# Altium PCB SONDE_2.PcbDoc (part 9 of 10)
Units mil, origin at the board's own origin, x right, y up, seen from the top; angles counter-clockwise.
Board outline 10236.22 x 6701.71 mil, 4 copper layers (Top Layer, GND, Internal Plane 2, Bottom Layer), stack 30.9 mil thick; 1794 components, 936 nets, 4747 pads, 493 vias.
Unrouted connection lines stored in the file: 1122.
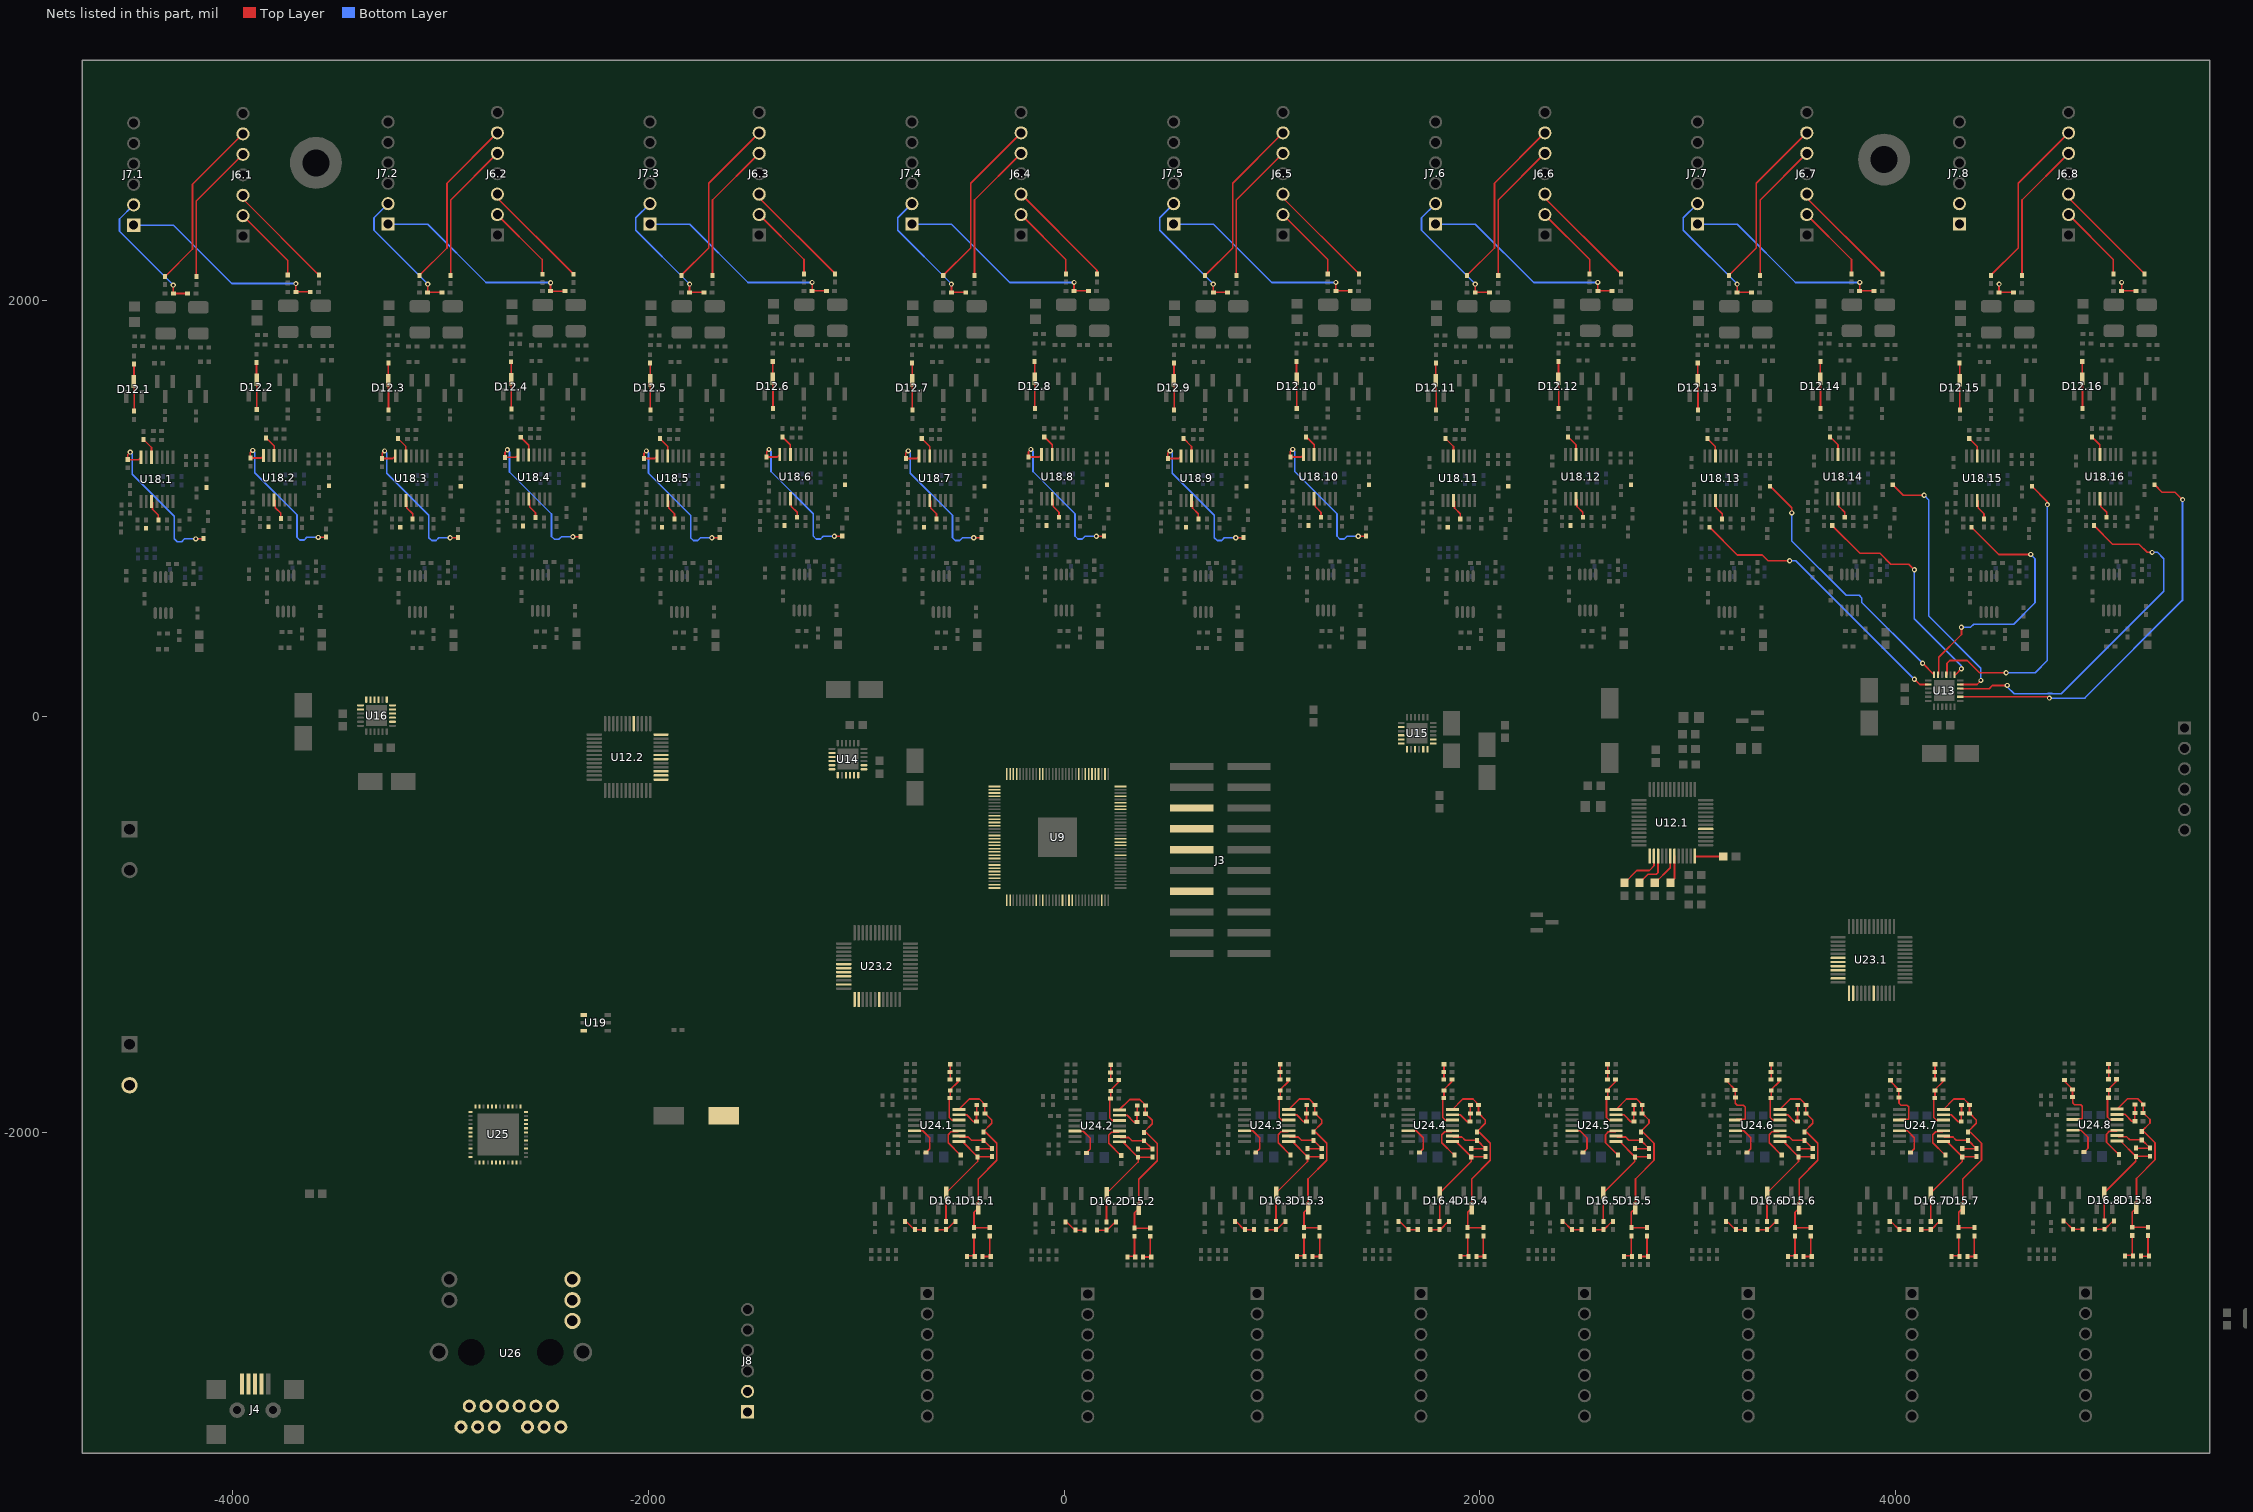
[diagram p11: the nets of this part, all layers, seen from the top]

## Via types
v1: diameter 25, hole 12, Top Layer to Bottom Layer, 493 vias

## Nets (pads, with @x,y where several pads share a name; then routed paths per layer and width w, separated by ;. In a path a pad name is that pad's centre, name@x,y a point inside that pad or via, vN(x,y) a via of type N, cw(c..) or ccw(c..) an arc to the next point about the centre after c; other vN are vias at no path point) (continued)
NetC140.6_1: C140.6.1 R86.6.2 R89.6.2 U24.6.3 | length 287.4
  Top Layer w8: R86.6.2@3188.7,-1749.46 3188.7,-1755.01 3228.07,-1794.38 C140.6.1@3228.07,-1796.46 3228.07,-1831.46 R89.6.2@3229.07,-1832.46 3229.07,-1859.77 3238.09,-1868.8 3267.44,-1868.8 3275.64,-1877 3275.64,-1936.17 3234.85,-1936.17 U24.6.3@3230.14,-1940.87
NetC140.7_1: C140.7.1 R86.7.2 R89.7.2 U24.7.3 | length 287.4
  Top Layer w8: R86.7.2@3976.1,-1749.46 3976.1,-1755.01 4015.47,-1794.38 C140.7.1@4015.47,-1796.46 4015.47,-1831.46 R89.7.2@4016.47,-1832.46 4016.47,-1859.77 4025.5,-1868.8 4054.84,-1868.8 4063.04,-1877 4063.04,-1936.17 4022.25,-1936.17 U24.7.3@4017.55,-1940.87
NetC140.8_1: C140.8.1 R86.8.2 R89.8.2 U24.8.3 | length 287.4
  Top Layer w8: R86.8.2@4811.31,-1747.38 4811.31,-1752.93 4850.69,-1792.3 C140.8.1@4850.69,-1794.38 4850.69,-1829.38 R89.8.2@4851.69,-1830.38 4851.69,-1857.69 4860.71,-1866.72 4890.06,-1866.72 4898.26,-1874.92 4898.26,-1934.09 4857.46,-1934.09 U24.8.3@4852.76,-1938.79
NetC141.1_2: C141.1.2 R92.1.2 R93.1.2 | length 108
  Top Layer w8: R92.1.2@-765.48,-2428.78 -759.53,-2428.78 -720.16,-2468.15 C141.1.2@-718.08,-2468.15 R93.1.2@-673.82,-2468.15
NetC141.2_2: C141.2.2 R92.2.2 R93.2.2 | length 108
  Top Layer w8: R92.2.2@6.6,-2430.86 12.55,-2430.86 51.92,-2470.23 C141.2.2@54,-2470.23 R93.2.2@98.26,-2470.23
NetC141.3_2: C141.3.2 R92.3.2 R93.3.2 | length 108
  Top Layer w8: R92.3.2@821.77,-2428.78 827.72,-2428.78 867.09,-2468.15 C141.3.2@869.18,-2468.15 R93.3.2@913.44,-2468.15
NetC141.4_2: C141.4.2 R92.4.2 R93.4.2 | length 108
  Top Layer w8: R92.4.2@1609.18,-2428.78 1615.13,-2428.78 1654.5,-2468.15 C141.4.2@1656.58,-2468.15 R93.4.2@1700.84,-2468.15
NetC141.5_2: C141.5.2 R92.5.2 R93.5.2 | length 108
  Top Layer w8: R92.5.2@2396.58,-2428.78 2402.53,-2428.78 2441.9,-2468.15 C141.5.2@2443.98,-2468.15 R93.5.2@2488.24,-2468.15
NetC141.6_2: C141.6.2 R92.6.2 R93.6.2 | length 108
  Top Layer w8: R92.6.2@3183.98,-2428.78 3189.93,-2428.78 3229.3,-2468.15 C141.6.2@3231.38,-2468.15 R93.6.2@3275.64,-2468.15
NetC141.7_2: C141.7.2 R92.7.2 R93.7.2 | length 108
  Top Layer w8: R92.7.2@3971.38,-2428.78 3977.33,-2428.78 4016.7,-2468.15 C141.7.2@4018.78,-2468.15 R93.7.2@4063.04,-2468.15
NetC141.8_2: C141.8.2 R92.8.2 R93.8.2 | length 108
  Top Layer w8: R92.8.2@4806.6,-2426.69 4812.55,-2426.69 4851.92,-2466.06 C141.8.2@4854,-2466.06 R93.8.2@4898.26,-2466.06
NetC142.1_1: C142.1.1 R96.1.2 R98.1.1 U24.1.13 | length 179.5
  Top Layer w8: U24.1.13@-506.72,-1915.28 -468.97,-1915.28 -435.79,-1948.46 R98.1.1@-421.38,-1948.46 -421.38,-1909.08 C142.1.1@-420.76,-1908.46 -420.45,-1908.15 R96.1.2@-420.45,-1868.46
NetC142.1_2: C142.1.2 C143.1.1 C144.1.1 D15.1.3 R96.1.1 R105.1.2 R133.2 U24.1.14 | length 931.7
  Top Layer w8: U24.1.14@-506.72,-1889.69 -456.8,-1839.78 -407.68,-1839.78 -381.08,-1866.38 R96.1.1@-381.08,-1868.46 -381.39,-1868.78 C142.1.2@-381.39,-1908.46 -380.56,-1908.46 -348.73,-1940.29 -348.73,-1956.63 -388.08,-1995.98 R105.1.2@-388.08,-1998.78 -377.11,-1998.78 -324.24,-2051.65 -324.24,-2134.44 -413.85,-2224.05 D15.1.3@-413.85,-2364.88 -433.78,-2384.81 -433.78,-2454.87 -430.19,-2458.46 C143.1.1@-358.08,-2458.46
NetC142.2_1: C142.2.1 R96.2.2 R98.2.1 U24.2.13 | length 179.5
  Top Layer w8: U24.2.13@265.36,-1917.36 303.11,-1917.36 336.29,-1950.54 R98.2.1@350.7,-1950.54 350.7,-1911.16 C142.2.1@351.31,-1910.54 351.63,-1910.23 R96.2.2@351.63,-1870.54
NetC142.2_2: C142.2.2 C143.2.1 C144.2.1 D15.2.3 R96.2.1 R105.2.2 U24.2.14 | length 931.7
  Top Layer w8: U24.2.14@265.36,-1891.77 315.28,-1841.86 364.4,-1841.86 391,-1868.46 R96.2.1@391,-1870.54 390.69,-1870.86 C142.2.2@390.69,-1910.54 391.52,-1910.54 423.35,-1942.37 423.35,-1958.71 384,-1998.06 R105.2.2@384,-2000.86 394.97,-2000.86 447.84,-2053.73 447.84,-2136.52 358.23,-2226.14 D15.2.3@358.23,-2366.96 338.3,-2386.89 338.3,-2456.95 341.89,-2460.54 C143.2.1@414,-2460.54
NetC142.3_1: C142.3.1 R96.3.2 R98.3.1 U24.3.13 | length 179.5
  Top Layer w8: U24.3.13@1080.54,-1915.28 1118.29,-1915.28 1151.47,-1948.46 R98.3.1@1165.87,-1948.46 1165.87,-1909.08 C142.3.1@1166.49,-1908.46 1166.81,-1908.15 R96.3.2@1166.81,-1868.46
NetC142.3_2: C142.3.2 C143.3.1 C144.3.1 D15.3.3 R96.3.1 R105.3.2 U24.3.14 | length 931.7
  Top Layer w8: U24.3.14@1080.54,-1889.69 1130.45,-1839.78 1179.57,-1839.78 1206.18,-1866.38 R96.3.1@1206.18,-1868.46 1205.86,-1868.78 C142.3.2@1205.86,-1908.46 1206.69,-1908.46 1238.52,-1940.29 1238.52,-1956.63 1199.18,-1995.98 R105.3.2@1199.18,-1998.78 1210.14,-1998.78 1263.02,-2051.65 1263.02,-2134.44 1173.4,-2224.05 D15.3.3@1173.4,-2364.88 1153.47,-2384.81 1153.47,-2454.87 1157.06,-2458.46 C143.3.1@1229.18,-2458.46
NetC142.4_1: C142.4.1 R96.4.2 R98.4.1 U24.4.13 | length 179.5
  Top Layer w8: U24.4.13@1867.94,-1915.28 1905.69,-1915.28 1938.87,-1948.46 R98.4.1@1953.27,-1948.46 1953.27,-1909.08 C142.4.1@1953.89,-1908.46 1954.21,-1908.15 R96.4.2@1954.21,-1868.46
NetC142.4_2: C142.4.2 C143.4.1 C144.4.1 D15.4.3 R96.4.1 R105.4.2 U24.4.14 | length 931.7
  Top Layer w8: U24.4.14@1867.94,-1889.69 1917.85,-1839.78 1966.97,-1839.78 1993.58,-1866.38 R96.4.1@1993.58,-1868.46 1993.26,-1868.78 C142.4.2@1993.26,-1908.46 1994.1,-1908.46 2025.92,-1940.29 2025.92,-1956.63 1986.58,-1995.98 R105.4.2@1986.58,-1998.78 1997.55,-1998.78 2050.42,-2051.65 2050.42,-2134.44 1960.81,-2224.05 D15.4.3@1960.81,-2364.88 1940.88,-2384.81 1940.88,-2454.87 1944.47,-2458.46 C143.4.1@2016.58,-2458.46
NetC142.5_1: C142.5.1 R96.5.2 R98.5.1 U24.5.13 | length 179.5
  Top Layer w8: U24.5.13@2655.34,-1915.28 2693.09,-1915.28 2726.27,-1948.46 R98.5.1@2740.67,-1948.46 2740.67,-1909.08 C142.5.1@2741.29,-1908.46 2741.61,-1908.15 R96.5.2@2741.61,-1868.46
NetC142.5_2: C142.5.2 C143.5.1 C144.5.1 D15.5.3 R96.5.1 R105.5.2 U24.5.14 | length 931.7
  Top Layer w8: U24.5.14@2655.34,-1889.69 2705.25,-1839.78 2754.38,-1839.78 2780.98,-1866.38 R96.5.1@2780.98,-1868.46 2780.66,-1868.78 C142.5.2@2780.66,-1908.46 2781.5,-1908.46 2813.33,-1940.29 2813.33,-1956.63 2773.98,-1995.98 R105.5.2@2773.98,-1998.78 2784.95,-1998.78 2837.82,-2051.65 2837.82,-2134.44 2748.21,-2224.05 D15.5.3@2748.21,-2364.88 2728.28,-2384.81 2728.28,-2454.87 2731.87,-2458.46 C143.5.1@2803.98,-2458.46
NetC142.6_1: C142.6.1 R96.6.2 R98.6.1 U24.6.13 | length 179.5
  Top Layer w8: U24.6.13@3442.74,-1915.28 3480.49,-1915.28 3513.67,-1948.46 R98.6.1@3528.08,-1948.46 3528.08,-1909.08 C142.6.1@3528.7,-1908.46 3529.01,-1908.15 R96.6.2@3529.01,-1868.46
NetC142.6_2: C142.6.2 C143.6.1 C144.6.1 D15.6.3 R96.6.1 R105.6.2 U24.6.14 | length 931.7
  Top Layer w8: U24.6.14@3442.74,-1889.69 3492.66,-1839.78 3541.78,-1839.78 3568.38,-1866.38 R96.6.1@3568.38,-1868.46 3568.07,-1868.78 C142.6.2@3568.07,-1908.46 3568.9,-1908.46 3600.73,-1940.29 3600.73,-1956.63 3561.38,-1995.98 R105.6.2@3561.38,-1998.78 3572.35,-1998.78 3625.22,-2051.65 3625.22,-2134.44 3535.61,-2224.05 D15.6.3@3535.61,-2364.88 3515.68,-2384.81 3515.68,-2454.87 3519.27,-2458.46 C143.6.1@3591.38,-2458.46
NetC142.7_1: C142.7.1 R96.7.2 R98.7.1 U24.7.13 | length 179.5
  Top Layer w8: U24.7.13@4230.14,-1915.28 4267.89,-1915.28 4301.07,-1948.46 R98.7.1@4315.48,-1948.46 4315.48,-1909.08 C142.7.1@4316.1,-1908.46 4316.41,-1908.15 R96.7.2@4316.41,-1868.46
NetC142.7_2: C142.7.2 C143.7.1 C144.7.1 D15.7.3 R96.7.1 R105.7.2 U24.7.14 | length 931.7
  Top Layer w8: U24.7.14@4230.14,-1889.69 4280.06,-1839.78 4329.18,-1839.78 4355.78,-1866.38 R96.7.1@4355.78,-1868.46 4355.47,-1868.78 C142.7.2@4355.47,-1908.46 4356.3,-1908.46 4388.13,-1940.29 4388.13,-1956.63 4348.78,-1995.98 R105.7.2@4348.78,-1998.78 4359.75,-1998.78 4412.62,-2051.65 4412.62,-2134.44 4323.01,-2224.05 D15.7.3@4323.01,-2364.88 4303.08,-2384.81 4303.08,-2454.87 4306.67,-2458.46 C143.7.1@4378.78,-2458.46
NetC142.8_1: C142.8.1 R96.8.2 R98.8.1 U24.8.13 | length 179.5
  Top Layer w8: U24.8.13@5065.36,-1913.2 5103.11,-1913.2 5136.29,-1946.38 R98.8.1@5150.7,-1946.38 5150.7,-1907 C142.8.1@5151.31,-1906.38 5151.63,-1906.06 R96.8.2@5151.63,-1866.38
NetC142.8_2: C142.8.2 C143.8.1 C144.8.1 D15.8.3 R96.8.1 R105.8.2 U24.8.14 | length 931.7
  Top Layer w8: U24.8.14@5065.36,-1887.61 5115.28,-1837.69 5164.4,-1837.69 5191,-1864.3 R96.8.1@5191,-1866.38 5190.69,-1866.69 C142.8.2@5190.69,-1906.38 5191.52,-1906.38 5223.35,-1938.21 5223.35,-1954.55 5184,-1993.9 R105.8.2@5184,-1996.69 5194.97,-1996.69 5247.84,-2049.57 5247.84,-2132.36 5158.23,-2221.97 D15.8.3@5158.23,-2362.8 5138.3,-2382.73 5138.3,-2452.79 5141.89,-2456.38 C143.8.1@5214,-2456.38
NetC143.1_2: C143.1.2 R95.1.2 R97.1.2 | length 139.9
  Top Layer w8: R97.1.2@-391.92,-2597.18 R95.1.2@-353.31,-2597.18 -358.08,-2592.41 C143.1.2@-358.08,-2497.83
NetC143.2_2: C143.2.2 R95.2.2 R97.2.2 | length 139.9
  Top Layer w8: R97.2.2@380.16,-2599.27 R95.2.2@418.77,-2599.27 414,-2594.5 C143.2.2@414,-2499.91
NetC143.3_2: C143.3.2 R95.3.2 R97.3.2 | length 139.9
  Top Layer w8: R97.3.2@1195.33,-2597.18 R95.3.2@1233.95,-2597.18 1229.18,-2592.41 C143.3.2@1229.18,-2497.83
NetC143.4_2: C143.4.2 R95.4.2 R97.4.2 | length 139.9
  Top Layer w8: R97.4.2@1982.74,-2597.18 R95.4.2@2021.35,-2597.18 2016.58,-2592.41 C143.4.2@2016.58,-2497.83
NetC143.5_2: C143.5.2 R95.5.2 R97.5.2 | length 139.9
  Top Layer w8: R97.5.2@2770.14,-2597.18 R95.5.2@2808.75,-2597.18 2803.98,-2592.41 C143.5.2@2803.98,-2497.83
NetC143.6_2: C143.6.2 R95.6.2 R97.6.2 | length 139.9
  Top Layer w8: R97.6.2@3557.54,-2597.18 R95.6.2@3596.15,-2597.18 3591.38,-2592.41 C143.6.2@3591.38,-2497.83
NetC143.7_2: C143.7.2 R95.7.2 R97.7.2 | length 139.9
  Top Layer w8: R97.7.2@4344.94,-2597.18 R95.7.2@4383.55,-2597.18 4378.78,-2592.41 C143.7.2@4378.78,-2497.83
NetC143.8_2: C143.8.2 R95.8.2 R97.8.2 | length 139.9
  Top Layer w8: R97.8.2@5180.16,-2595.1 R95.8.2@5218.77,-2595.1 5214,-2590.33 C143.8.2@5214,-2495.75
NetC144.1_2: C144.1.2 R99.1.2 R101.1.2 | length 131.5
  Top Layer w8: R99.1.2@-468.08,-2597.18 -464.49,-2593.59 -433.78,-2593.59 C144.1.2@-433.78,-2497.83
NetC144.2_2: C144.2.2 R99.2.2 R101.2.2 | length 131.5
  Top Layer w8: R99.2.2@304,-2599.27 307.59,-2595.68 338.3,-2595.68 C144.2.2@338.3,-2499.91
NetC144.3_2: C144.3.2 R99.3.2 R101.3.2 | length 131.5
  Top Layer w8: R99.3.2@1119.18,-2597.18 1122.77,-2593.59 1153.47,-2593.59 C144.3.2@1153.47,-2497.83
NetC144.4_2: C144.4.2 R99.4.2 R101.4.2 | length 131.5
  Top Layer w8: R99.4.2@1906.58,-2597.18 1910.17,-2593.59 1940.88,-2593.59 C144.4.2@1940.88,-2497.83
NetC144.5_2: C144.5.2 R99.5.2 R101.5.2 | length 131.5
  Top Layer w8: R99.5.2@2693.98,-2597.18 2697.57,-2593.59 2728.28,-2593.59 C144.5.2@2728.28,-2497.83
NetC144.6_2: C144.6.2 R99.6.2 R101.6.2 | length 131.5
  Top Layer w8: R99.6.2@3481.38,-2597.18 3484.97,-2593.59 3515.68,-2593.59 C144.6.2@3515.68,-2497.83
NetC144.7_2: C144.7.2 R99.7.2 R101.7.2 | length 131.5
  Top Layer w8: R99.7.2@4268.78,-2597.18 4272.37,-2593.59 4303.08,-2593.59 C144.7.2@4303.08,-2497.83
NetC144.8_2: C144.8.2 R99.8.2 R101.8.2 | length 131.5
  Top Layer w8: R99.8.2@5104,-2595.1 5107.59,-2591.51 5138.3,-2591.51 C144.8.2@5138.3,-2495.75
NetC145.1_2: C145.1.2 R100.1.1 R102.1.2 | length 73
  Top Layer w8: R100.1.1@-547.76,-1745.46 C145.1.2@-547.76,-1672.46
NetC145.2_2: C145.2.2 R100.2.1 R102.2.2 | length 73
  Top Layer w8: R100.2.1@224.31,-1747.54 C145.2.2@224.31,-1674.54
NetC145.3_2: C145.3.2 R100.3.1 R102.3.2 | length 73
  Top Layer w8: R100.3.1@1039.49,-1745.46 C145.3.2@1039.49,-1672.46
NetC145.4_2: C145.4.2 R100.4.1 R102.4.2 | length 73
  Top Layer w8: R100.4.1@1826.89,-1745.46 C145.4.2@1826.89,-1672.46
NetC145.5_2: C145.5.2 R100.5.1 R102.5.2 | length 73
  Top Layer w8: R100.5.1@2614.29,-1745.46 C145.5.2@2614.29,-1672.46
NetC145.6_2: C145.6.2 R100.6.1 R102.6.2 | length 73
  Top Layer w8: R100.6.1@3401.7,-1745.46 C145.6.2@3401.7,-1672.46
NetC145.7_2: C145.7.2 R100.7.1 R102.7.2 | length 73
  Top Layer w8: R100.7.1@4189.1,-1745.46 C145.7.2@4189.1,-1672.46
NetC145.8_2: C145.8.2 R100.8.1 R102.8.2 | length 73
  Top Layer w8: R100.8.1@5024.31,-1743.38 C145.8.2@5024.31,-1670.38
NetC146.1_1: C146.1.1 R104.1.2 R105.1.1 U24.1.9 | length 254.1
  Top Layer w8: U24.1.9@-506.72,-2017.64 -502.02,-2022.34 -461.22,-2022.34 -445.42,-2038.15 R105.1.1@-388.08,-2038.15 -348.76,-2077.46 R104.1.2@-348.08,-2077.46 C146.1.1@-416.46,-2078.11 C146.1.1@-418.08,-2076.5
NetC146.1_2: C146.1.2 C148.1.1 D16.1.3 R104.1.1 U24.1.8 | length 563.8
  Top Layer w8: C148.1.1@-568.08,-2428.78 D16.1.3@-568.08,-2292.04 -416.46,-2140.43 C146.1.2@-416.46,-2117.48 ; U24.1.8@-506.72,-2043.23 -490.71,-2043.23 C146.1.2@-416.46,-2117.48 ; R104.1.1@-348.08,-2116.83 -348.73,-2117.48 C146.1.2@-416.46,-2117.48
NetC146.2_1: C146.2.1 R104.2.2 R105.2.1 U24.2.9 | length 254.1
  Top Layer w8: U24.2.9@265.36,-2019.72 270.06,-2024.42 310.86,-2024.42 326.66,-2040.23 R105.2.1@384,-2040.23 423.31,-2079.54 R104.2.2@424,-2079.54 C146.2.1@355.62,-2080.2 C146.2.1@354,-2078.58
NetC146.2_2: C146.2.2 C148.2.1 D16.2.3 R104.2.1 U24.2.8 | length 563.8
  Top Layer w8: C148.2.1@204,-2430.86 D16.2.3@204,-2294.13 355.62,-2142.51 C146.2.2@355.62,-2119.57 ; U24.2.8@265.36,-2045.31 281.36,-2045.31 C146.2.2@355.62,-2119.57 ; R104.2.1@424,-2118.91 423.35,-2119.57 C146.2.2@355.62,-2119.57
NetC146.3_1: C146.3.1 R104.3.2 R105.3.1 U24.3.9 | length 254.1
  Top Layer w8: U24.3.9@1080.54,-2017.64 1085.24,-2022.34 1126.03,-2022.34 1141.84,-2038.15 R105.3.1@1199.18,-2038.15 1238.49,-2077.46 R104.3.2@1239.18,-2077.46 C146.3.1@1170.79,-2078.11 C146.3.1@1169.18,-2076.5
NetC146.3_2: C146.3.2 C148.3.1 D16.3.3 R104.3.1 U24.3.8 | length 563.8
  Top Layer w8: C148.3.1@1019.18,-2428.78 D16.3.3@1019.18,-2292.04 1170.79,-2140.43 C146.3.2@1170.79,-2117.48 ; U24.3.8@1080.54,-2043.23 1096.54,-2043.23 C146.3.2@1170.79,-2117.48 ; R104.3.1@1239.18,-2116.83 1238.52,-2117.48 C146.3.2@1170.79,-2117.48
NetC146.4_1: C146.4.1 R104.4.2 R105.4.1 U24.4.9 | length 254.1
  Top Layer w8: U24.4.9@1867.94,-2017.64 1872.64,-2022.34 1913.44,-2022.34 1929.24,-2038.15 R105.4.1@1986.58,-2038.15 2025.89,-2077.46 R104.4.2@2026.58,-2077.46 C146.4.1@1958.19,-2078.11 C146.4.1@1956.58,-2076.5
NetC146.4_2: C146.4.2 C148.4.1 D16.4.3 R104.4.1 U24.4.8 | length 563.8
  Top Layer w8: C148.4.1@1806.58,-2428.78 D16.4.3@1806.58,-2292.04 1958.19,-2140.43 C146.4.2@1958.19,-2117.48 ; U24.4.8@1867.94,-2043.23 1883.94,-2043.23 C146.4.2@1958.19,-2117.48 ; R104.4.1@2026.58,-2116.83 2025.92,-2117.48 C146.4.2@1958.19,-2117.48
NetC146.5_1: C146.5.1 R104.5.2 R105.5.1 U24.5.9 | length 254.1
  Top Layer w8: U24.5.9@2655.34,-2017.64 2660.04,-2022.34 2700.84,-2022.34 2716.64,-2038.15 R105.5.1@2773.98,-2038.15 2813.29,-2077.46 R104.5.2@2813.98,-2077.46 C146.5.1@2745.59,-2078.11 C146.5.1@2743.98,-2076.5
NetC146.5_2: C146.5.2 C148.5.1 D16.5.3 R104.5.1 U24.5.8 | length 563.8
  Top Layer w8: C148.5.1@2593.98,-2428.78 D16.5.3@2593.98,-2292.04 2745.59,-2140.43 C146.5.2@2745.59,-2117.48 ; U24.5.8@2655.34,-2043.23 2671.34,-2043.23 C146.5.2@2745.59,-2117.48 ; R104.5.1@2813.98,-2116.83 2813.33,-2117.48 C146.5.2@2745.59,-2117.48
NetC146.6_1: C146.6.1 R104.6.2 R105.6.1 U24.6.9 | length 254.1
  Top Layer w8: U24.6.9@3442.74,-2017.64 3447.44,-2022.34 3488.24,-2022.34 3504.04,-2038.15 R105.6.1@3561.38,-2038.15 3600.7,-2077.46 R104.6.2@3601.38,-2077.46 C146.6.1@3533,-2078.11 C146.6.1@3531.38,-2076.5
NetC146.6_2: C146.6.2 C148.6.1 D16.6.3 R104.6.1 U24.6.8 | length 563.8
  Top Layer w8: C148.6.1@3381.38,-2428.78 D16.6.3@3381.38,-2292.04 3533,-2140.43 C146.6.2@3533,-2117.48 ; U24.6.8@3442.74,-2043.23 3458.74,-2043.23 C146.6.2@3533,-2117.48 ; R104.6.1@3601.38,-2116.83 3600.73,-2117.48 C146.6.2@3533,-2117.48
NetC146.7_1: C146.7.1 R104.7.2 R105.7.1 U24.7.9 | length 254.1
  Top Layer w8: U24.7.9@4230.14,-2017.64 4234.85,-2022.34 4275.64,-2022.34 4291.44,-2038.15 R105.7.1@4348.78,-2038.15 4388.1,-2077.46 R104.7.2@4388.78,-2077.46 C146.7.1@4320.4,-2078.11 C146.7.1@4318.78,-2076.5
NetC146.7_2: C146.7.2 C148.7.1 D16.7.3 R104.7.1 U24.7.8 | length 563.8
  Top Layer w8: C148.7.1@4168.78,-2428.78 D16.7.3@4168.78,-2292.04 4320.4,-2140.43 C146.7.2@4320.4,-2117.48 ; U24.7.8@4230.14,-2043.23 4246.15,-2043.23 C146.7.2@4320.4,-2117.48 ; R104.7.1@4388.78,-2116.83 4388.13,-2117.48 C146.7.2@4320.4,-2117.48
NetC146.8_1: C146.8.1 R104.8.2 R105.8.1 U24.8.9 | length 254.1
  Top Layer w8: U24.8.9@5065.36,-2015.56 5070.06,-2020.26 5110.86,-2020.26 5126.66,-2036.06 R105.8.1@5184,-2036.06 5223.31,-2075.38 R104.8.2@5224,-2075.38 C146.8.1@5155.62,-2076.03 C146.8.1@5154,-2074.42
NetC146.8_2: C146.8.2 C148.8.1 D16.8.3 R104.8.1 U24.8.8 | length 563.8
  Top Layer w8: C148.8.1@5004,-2426.69 D16.8.3@5004,-2289.96 5155.62,-2138.35 C146.8.2@5155.62,-2115.4 ; U24.8.8@5065.36,-2041.15 5081.36,-2041.15 C146.8.2@5155.62,-2115.4 ; R104.8.1@5224,-2114.75 5223.35,-2115.4 C146.8.2@5155.62,-2115.4
NetC147.1_1: C147.1.1 R100.1.2 R103.1.2 U24.1.12 | length 250.2
  Top Layer w8: R103.1.2@-548.76,-1835.46 -553.08,-1839.78 -553.08,-1928.46 -540.67,-1940.87 U24.1.12@-506.72,-1940.87 ; R103.1.2@-547.76,-1834.46 C147.1.1@-547.76,-1798.46 -547.76,-1794.15 -509.39,-1755.78 R100.1.2@-509.39,-1746.46
NetC147.2_1: C147.2.1 R100.2.2 R103.2.2 U24.2.12 | length 250.2
  Top Layer w8: R103.2.2@223.31,-1837.54 219,-1841.86 219,-1930.54 231.41,-1942.95 U24.2.12@265.36,-1942.95 ; R103.2.2@224.32,-1836.54 C147.2.1@224.32,-1800.54 224.32,-1796.23 262.69,-1757.86 R100.2.2@262.69,-1748.54
NetC147.3_1: C147.3.1 R100.3.2 R103.3.2 U24.3.12 | length 250.2
  Top Layer w8: R103.3.2@1038.49,-1835.46 1034.18,-1839.78 1034.18,-1928.46 1046.59,-1940.87 U24.3.12@1080.54,-1940.87 ; R103.3.2@1039.49,-1834.46 C147.3.1@1039.49,-1798.46 1039.49,-1794.15 1077.86,-1755.78 R100.3.2@1077.86,-1746.46
NetC147.4_1: C147.4.1 R100.4.2 R103.4.2 U24.4.12 | length 250.2
  Top Layer w8: R103.4.2@1825.89,-1835.46 1821.58,-1839.78 1821.58,-1928.46 1833.99,-1940.87 U24.4.12@1867.94,-1940.87 ; R103.4.2@1826.89,-1834.46 C147.4.1@1826.89,-1798.46 1826.89,-1794.15 1865.26,-1755.78 R100.4.2@1865.26,-1746.46
NetC147.5_1: C147.5.1 R100.5.2 R103.5.2 U24.5.12 | length 250.2
  Top Layer w8: R103.5.2@2613.29,-1835.46 2608.98,-1839.78 2608.98,-1928.46 2621.39,-1940.87 U24.5.12@2655.34,-1940.87 ; R103.5.2@2614.29,-1834.46 C147.5.1@2614.29,-1798.46 2614.29,-1794.15 2652.66,-1755.78 R100.5.2@2652.66,-1746.46
NetC147.6_1: C147.6.1 R100.6.2 R103.6.2 U24.6.12 | length 250.2
  Top Layer w8: R103.6.2@3400.7,-1835.46 3396.38,-1839.78 3396.38,-1928.46 3408.79,-1940.87 U24.6.12@3442.74,-1940.87 ; R103.6.2@3401.7,-1834.46 C147.6.1@3401.7,-1798.46 3401.7,-1794.15 3440.07,-1755.78 R100.6.2@3440.07,-1746.46
NetC147.7_1: C147.7.1 R100.7.2 R103.7.2 U24.7.12 | length 250.2
  Top Layer w8: R103.7.2@4188.1,-1835.46 4183.78,-1839.78 4183.78,-1928.46 4196.19,-1940.87 U24.7.12@4230.14,-1940.87 ; R103.7.2@4189.1,-1834.46 C147.7.1@4189.1,-1798.46 4189.1,-1794.15 4227.47,-1755.78 R100.7.2@4227.47,-1746.46
NetC147.8_1: C147.8.1 R100.8.2 R103.8.2 U24.8.12 | length 250.2
  Top Layer w8: R103.8.2@5023.31,-1833.38 5019,-1837.69 5019,-1926.38 5031.41,-1938.79 U24.8.12@5065.36,-1938.79 ; R103.8.2@5024.32,-1832.38 C147.8.1@5024.32,-1796.38 5024.32,-1792.06 5062.69,-1753.69 R100.8.2@5062.69,-1744.38
NetC148.1_2: C148.1.2 R106.1.2 R107.1.2 | length 107.5
  Top Layer w8: R107.1.2@-613.69,-2468.15 C148.1.2@-568.08,-2468.15 -566,-2468.15 -526.63,-2428.78 R106.1.2@-522.5,-2428.78
NetC148.2_2: C148.2.2 R106.2.2 R107.2.2 | length 107.5
  Top Layer w8: R107.2.2@158.38,-2470.23 C148.2.2@204,-2470.23 206.08,-2470.23 245.45,-2430.86 R106.2.2@249.58,-2430.86
NetC148.3_2: C148.3.2 R106.3.2 R107.3.2 | length 107.5
  Top Layer w8: R107.3.2@973.56,-2468.15 C148.3.2@1019.18,-2468.15 1021.26,-2468.15 1060.63,-2428.78 R106.3.2@1064.75,-2428.78
NetC148.4_2: C148.4.2 R106.4.2 R107.4.2 | length 107.5
  Top Layer w8: R107.4.2@1760.96,-2468.15 C148.4.2@1806.58,-2468.15 1808.66,-2468.15 1848.03,-2428.78 R106.4.2@1852.16,-2428.78
NetC148.5_2: C148.5.2 R106.5.2 R107.5.2 | length 107.5
  Top Layer w8: R107.5.2@2548.36,-2468.15 C148.5.2@2593.98,-2468.15 2596.06,-2468.15 2635.43,-2428.78 R106.5.2@2639.56,-2428.78
NetC148.6_2: C148.6.2 R106.6.2 R107.6.2 | length 107.5
  Top Layer w8: R107.6.2@3335.77,-2468.15 C148.6.2@3381.38,-2468.15 3383.46,-2468.15 3422.83,-2428.78 R106.6.2@3426.96,-2428.78
NetC148.7_2: C148.7.2 R106.7.2 R107.7.2 | length 107.5
  Top Layer w8: R107.7.2@4123.17,-2468.15 C148.7.2@4168.78,-2468.15 4170.86,-2468.15 4210.24,-2428.78 R106.7.2@4214.36,-2428.78
NetC148.8_2: C148.8.2 R106.8.2 R107.8.2 | length 107.5
  Top Layer w8: R107.8.2@4958.38,-2466.06 C148.8.2@5004,-2466.06 5006.08,-2466.06 5045.45,-2426.69 R106.8.2@5049.58,-2426.69
NetC149_1: C149.1 U26.12
NetC150_1: C150.1 U26.6
NetC152_1: C152.1 U26.1
NetC153_1: C153.1 U26.7
NetC183_-: C183.- J8.1
NetC185_-: C185.- J8.2
NetC?_2: C?.2 D7.A R10.2 R13.1 U7.1
NetD1_1: D1.1 R4.2
NetD2_A: D2.A D3.A R6.1
NetD6_1: D6.1 L2.2 U8.4 U8.5 U8.6
NetD8_1: D8.1 D9.1 R22.2 TP18.1 TP18.2 U9.123 U9.124
NetD9_2: D9.2 D9.3 SW1.1 SW2.1 U21.1